# Allegro board zp-dic_pda_8ch_board_v001_166_20241018_1809.brd (continued)
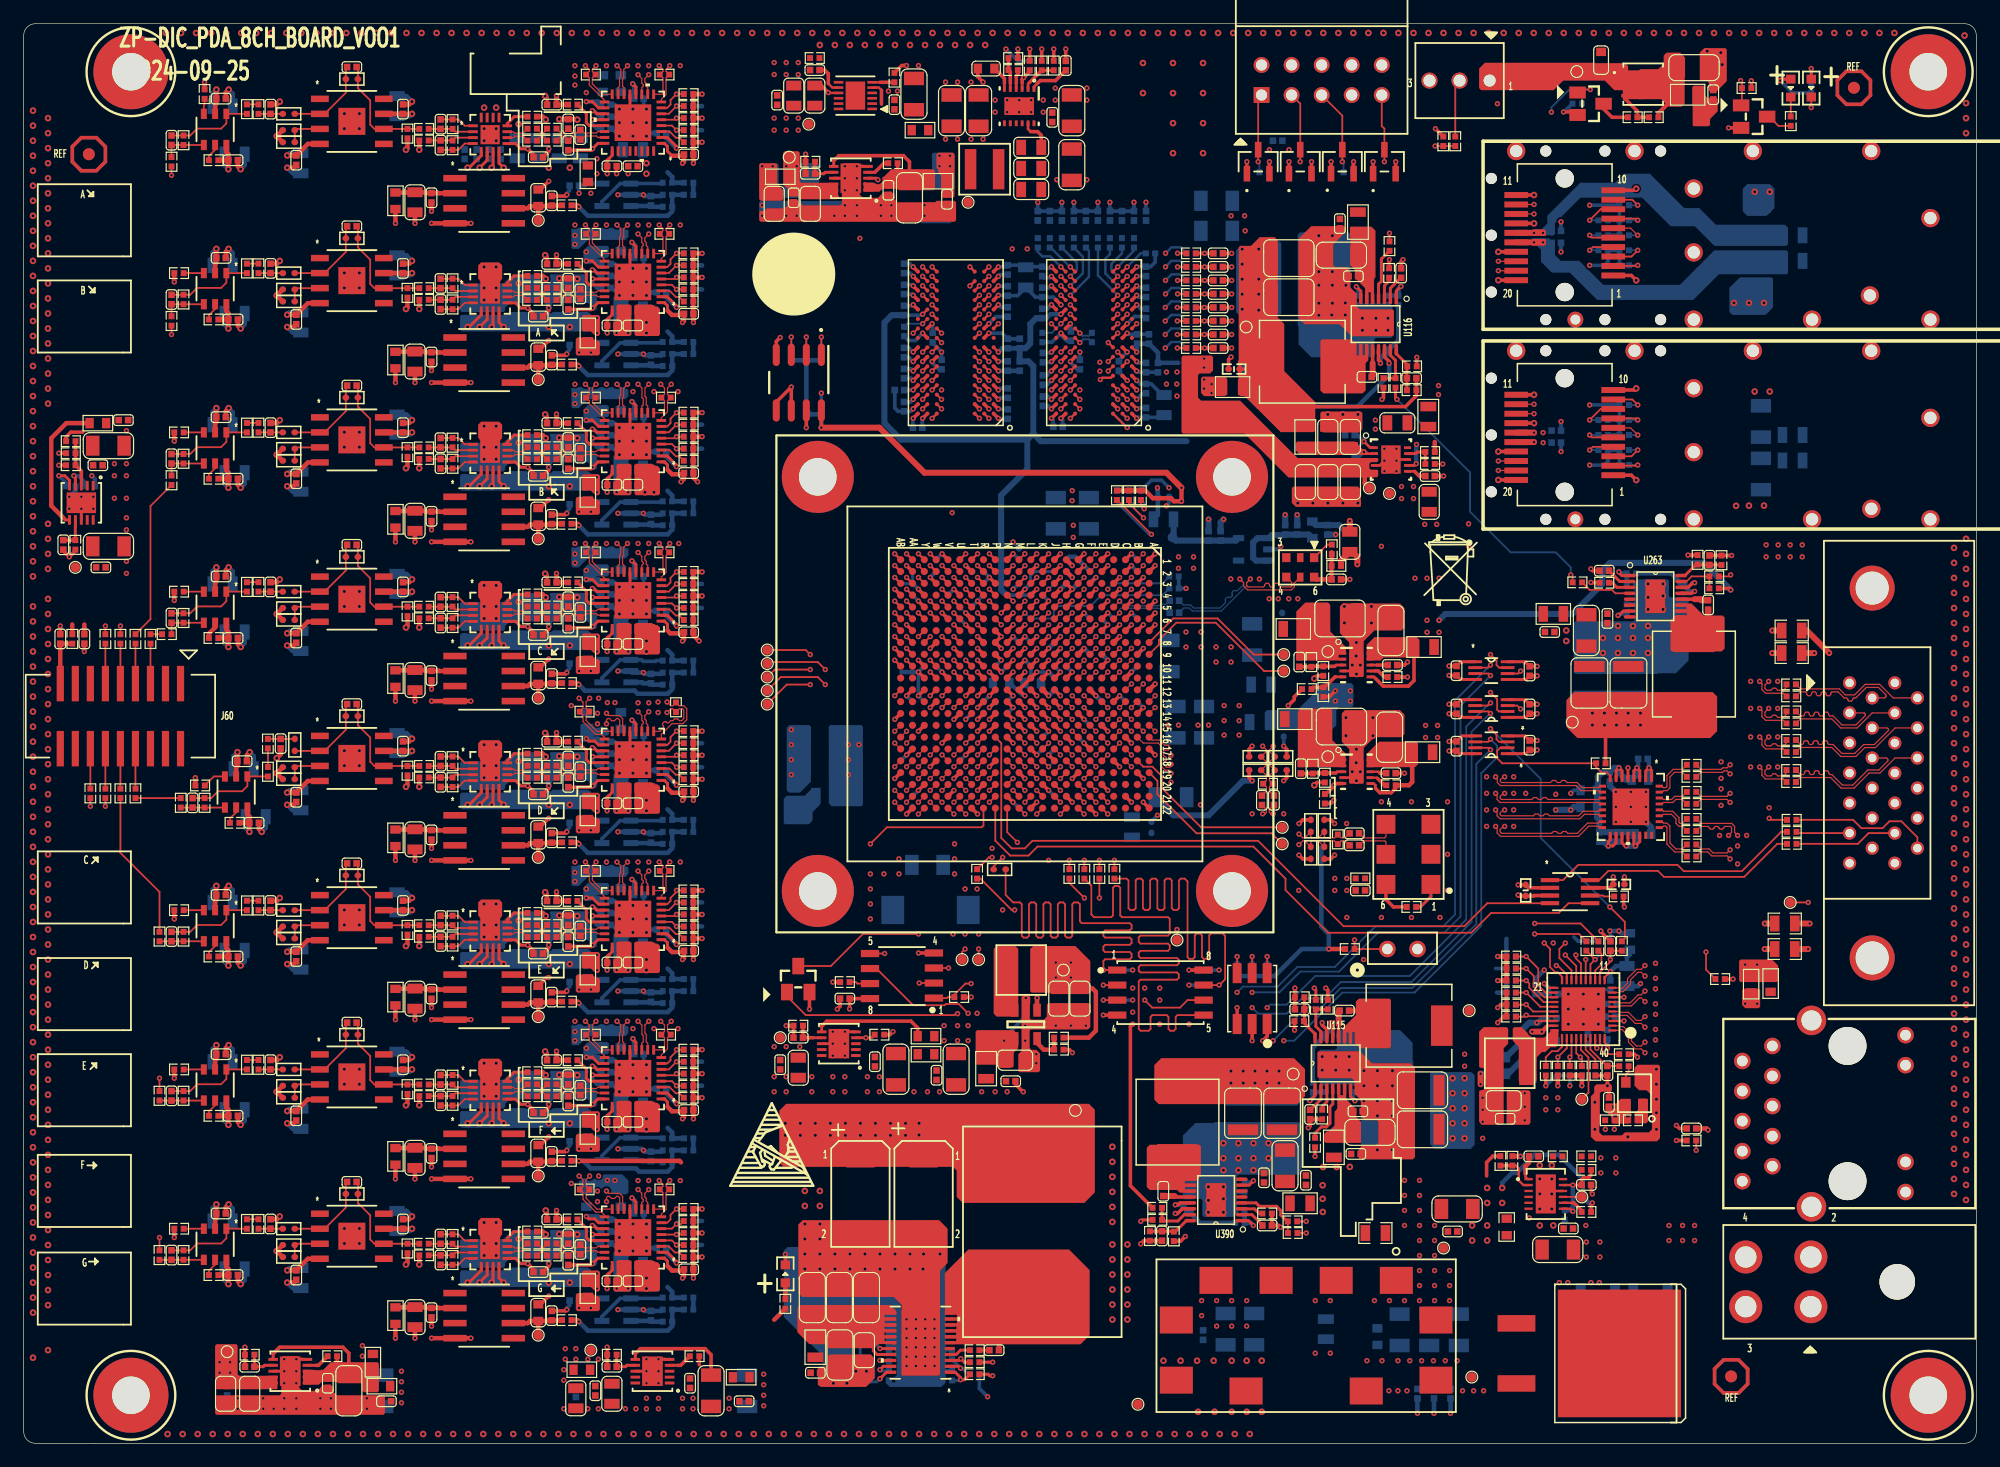
[diagram p0: board, top side]
## Routing (per net, layer and track width the routed paths; a pad name or vN(x,y) marks a point on that pad's centre or on a via; arc(x,y) is an arc through that point) (continued)
FPGA_SFP1_TX_DISABLE: length 48.2
  TOP w0.152: P3.3 135.86,100.32 v1(136.39,100.84) ; v1(123.95,63.47) 124.51,62.91 124.51,62.01 124.66,61.86 U49.2
  ART03 w0.102: v1(123.95,63.47) 125.85,65.38 125.85,78.66 131.8,84.61 131.8,88.52 132.38,89.11 132.38,96.84 v1(136.39,100.84)
  BOTTOM w0.152: R12.2 v1(136.39,100.84)
FPGA_SFP1_TX_N: length 55
  TOP w0.102: P3.19 v1(124.61,99.12) ; U1.F1 v1(90.6,75.19)
  ART08 w0.102: v1(124.61,99.12) 124.81,99.31 125.27,99.31 125.37,99.21 125.37,97.26 123.87,95.76 123.73,95.76 123.66,95.83 123.51,95.83 123.37,95.68 123.37,95.54 123.44,95.47 123.44,95.33 123.3,95.18 123.15,95.18 123.08,95.25 122.94,95.25 122.79,95.11 122.79,94.97 122.86,94.89 122.86,94.75 122.72,94.61 122.58,94.61 122.5,94.68 122.36,94.68 122.22,94.53 122.22,94.39 122.29,94.32 122.29,94.18 117.5,89.38 117.5,87.8 114.94,85.24 113.88,85.24 113.25,85.88 101.22,85.88 98.7,83.35 98.7,79.67 97.64,78.61 95.74,78.61 94.87,77.75 93.8,77.75 92.5,76.45 92.5,75.16 92.24,74.9 92.1,74.9 91.99,74.79 90.71,74.79 90.6,74.9 v1(90.6,75.19)
FPGA_SFP1_TX_P: length 55
  TOP w0.102: U1.F2 v1(90.6,74.19) ; P3.18 v1(124.61,99.92)
  ART08 w0.102: v1(90.6,74.19) 91,74.59 91.99,74.59 92.1,74.49 92.41,74.49 92.91,74.99 92.91,76.29 93.97,77.34 95.04,77.34 95.91,78.21 97.81,78.21 99.11,79.5 99.11,83.19 101.39,85.47 113.08,85.47 113.71,84.84 115.11,84.84 117.9,87.63 117.9,89.21 125.78,97.09 125.78,99.38 125.44,99.72 124.81,99.72 v1(124.61,99.92)
FPGA_SFP1_VCCR: length 1.5
  TOP w0.508: P3.15 v1(127.63,102.32)
  vias: v1(128.39,102.32)
FPGA_SFP1_VCCT: length 1.5
  TOP w0.508: P3.16 v1(127.63,101.52)
  vias: v1(128.39,101.52)
FPGA_SFP2_LOS: length 28.4
  TOP w0.152: v1(126.49,65.28) 126.28,65.07 U287.6 ; P4.8 133.26,87.43 v1(132.32,86.5)
  ART03 w0.102: v1(132.32,86.5) 132.86,85.96 132.86,78.13 129.84,75.11 129.84,68.63 v1(126.49,65.28)
  BOTTOM w0.152: R2151.2 v1(132.32,86.5)
FPGA_SFP2_LOS_1V8: length 71.7
  TOP w0.152: v1(123.95,64.9) 123.78,65.07 U287.3 ; U1.K22 v1(85.61,53.19)
  ART08 w0.102: v1(85.61,53.19) 85.61,52.97 85.37,52.73 85.37,48.41 87.04,46.74 91.11,46.74 98.6,39.24 99.23,39.24 100.79,37.69 103.14,37.69 103.57,38.12 v1(103.81,38.12)
  BOTTOM w0.152: v1(123.95,64.9) 121.41,62.36 121.41,44.53 120.06,43.18 114.45,43.18 111.15,39.88 107.87,39.88 106.11,38.12 v1(103.81,38.12)
FPGA_SFP2_RX_N: length 44.5
  TOP w0.102: P4.12 v1(127.63,87.83) ; U1.C3 v1(93.6,73.19)
  ART08 w0.102: v1(93.6,73.19) 93.6,72.97 93.71,72.87 93.85,72.87 94.01,73.03 94.01,75.5 93.91,75.6 93.91,75.91 94.35,76.35 95.51,76.35 96.53,77.37 102.24,77.37 106.61,81.74 117.51,81.74 123.4,87.64 127.43,87.64 v1(127.63,87.83)
FPGA_SFP2_RX_P: length 44.6
  TOP w0.102: U1.C4 v1(93.6,72.19) ; P4.13 v1(127.63,87.03)
  ART08 w0.102: v1(127.63,87.03) 127.43,87.23 126.86,87.23 126.76,87.13 126.76,87.07 126.66,86.97 126.45,86.97 126.35,87.07 126.35,87.13 126.25,87.23 123.57,87.23 117.67,81.33 106.78,81.33 102.41,76.96 96.69,76.96 95.68,75.95 94.52,75.95 94.31,75.74 94.31,75.6 94.21,75.5 94.21,72.94 93.93,72.67 93.71,72.67 93.6,72.57 v1(93.6,72.19)
FPGA_SFP2_TX_DIS_1V8: length 76.4
  TOP w0.152: v1(123.95,62.58) 123.73,62.36 U49.6 ; U1.M18 v1(84.6,57.19)
  ART08 w0.102: v1(105.08,36.83) 104.19,35.94 100.24,35.94 90.99,45.19 87.45,45.19 84.71,47.93 84.71,52.7 85,53 85,56.53 84.6,56.92 v1(84.6,57.19)
  BOTTOM w0.152: v1(105.08,36.83) 105.33,37.08 106.73,37.08 109.14,39.5 117.12,39.5 121.89,44.27 121.89,60.58 123.89,62.58 v1(123.95,62.58)
FPGA_SFP2_TX_DISABLE: length 30.2
  TOP w0.152: v1(126.49,62.07) 126.2,62.36 U49.3 ; v1(136.39,83.96) 135.86,83.43 P4.3
  ART03 w0.102: v1(126.49,62.07) 126.49,62.69 128.57,64.77 128.57,65.28 131.36,68.07 131.36,74.3 135.63,78.56 135.63,83.2 v1(136.39,83.96)
  BOTTOM w0.152: R2147.2 v1(136.39,83.96)
FPGA_SFP2_TX_N: length 39.9
  TOP w0.102: U1.B1 v1(94.6,75.19) ; P4.19 v1(124.61,82.23)
  ART08 w0.102: v1(124.61,82.23) 124.81,82.43 125.2,82.43 125.37,82.25 125.37,80.31 123.93,78.87 122.77,78.87 122.67,78.97 122.67,78.99 122.57,79.1 122.37,79.1 122.27,78.99 122.27,78.97 122.16,78.87 121.96,78.87 121.86,78.97 121.86,78.99 121.76,79.1 121.56,79.1 121.45,78.99 121.45,78.97 121.35,78.87 121.15,78.87 121.05,78.97 121.05,78.99 120.95,79.1 120.74,79.1 120.64,78.99 120.64,78.97 120.54,78.87 119.27,78.87 119.17,78.97 119.17,79.07 119.07,79.17 118.86,79.17 118.76,79.07 118.76,78.97 118.66,78.87 118.46,78.87 118.36,78.97 118.36,79.07 118.26,79.17 118.05,79.17 117.95,79.07 117.95,78.97 117.85,78.87 110.03,78.87 109.17,78 105.42,78 103.26,75.84 97.23,75.84 96.31,74.93 96.12,74.93 95.98,74.79 94.71,74.79 94.6,74.9 v1(94.6,75.19)
FPGA_SFP2_TX_P: length 39.6
  TOP w0.102: U1.B2 v1(94.6,74.19) ; P4.18 v1(124.61,83.03)
  ART08 w0.102: v1(124.61,83.03) 124.81,82.84 125.36,82.84 125.78,82.42 125.78,80.14 124.1,78.46 110.2,78.46 109.33,77.6 105.58,77.6 103.42,75.44 97.4,75.44 96.48,74.52 96.14,74.52 96.07,74.59 95,74.59 v1(94.6,74.19)
FPGA_SFP2_VCCR: length 1.5
  TOP w0.508: P4.15 v1(127.63,85.43)
  vias: v1(128.39,85.43)
FPGA_SFP2_VCCT: length 1.5
  TOP w0.508: P4.16 v1(127.63,84.63)
  vias: v1(128.4,84.58)
FPGA_TCK: length 57.2
  TOP w0.152: J1.1 104.31,113.68 D2.3 v1(104.31,108.33) ; U1.K7 v1(86.6,69.19)
  ART03 w0.102: v1(86.6,69.19) 86.56,69.19 86.21,69.54 86.21,72.36 86.44,72.59 86.48,72.59 86.48,72.59 89.02,72.59 89.21,72.78 89.21,73.35 89.44,73.59 90.95,73.59 91.21,73.85 91.21,74.4 91.49,74.68 91.83,74.68 92.08,74.93 92.08,75.49 93.32,76.72 93.32,79.23 93.55,79.47 96.16,82.08 96.16,89.87 96.34,90.04 96.95,90.04 v1(97.46,90.55)
  ART08 w0.102: v1(104.31,108.33) 98.4,102.42 98.4,91.5 v1(97.46,90.55)
  BOTTOM w0.152: v1(104.31,108.33) 104.42,108.22 R456.2
FPGA_TDI: length 65.7
  TOP w0.152: v1(114.98,108.33) D5.3 114.98,111.13 114.76,111.35 J1.9 ; U1.K6 v1(86.6,70.19)
  ART03 w0.102: v1(96.57,89.54) 96.57,81.66 96.31,81.41 96.31,80.52 96.06,80.26 94.92,80.26 93.72,79.06 93.72,76.83 92.29,75.4 92.29,74.21 90.85,72.77 90.47,72.77 90.09,72.39 90.09,72.01 89.88,71.8 87.36,71.8 87,71.44 87,70.94 87.04,70.9 87.04,70.61 86.62,70.19 v1(86.6,70.19)
  ART08 w0.102: v1(114.98,108.33) 113.97,107.32 104.44,107.32 99.23,102.11 99.23,90.55 97.71,89.03 97.07,89.03 v1(96.57,89.54)
FPGA_TDO: length 58.4
  TOP w0.152: J1.3 107.87,113.24 D3.3 v1(107.87,108.33) ; U1.J6 v1(87.6,70.19)
  ART03 w0.102: v1(87.6,70.19) 87.3,70.5 87.3,70.94 87.21,71.03 87.21,71.36 87.44,71.59 90.56,71.59 91,72.03 91,72.54 92.5,74.04 92.5,75.31 94,76.81 94,78.95 94.92,79.86 96.67,79.86 97.33,80.52 97.33,81.41 96.95,81.79 96.95,89.05 v1(97.44,89.54)
  ART08 w0.102: v1(107.87,108.33) 107.36,107.82 104.44,107.82 98.85,102.24 98.85,90.95 v1(97.44,89.54)
FPGA_TIMING_LVDS_EN: length 12.2
  TOP w0.152: U286.2 124.76,58.8 124.51,58.55 124.51,57.91 124.94,57.48 R2135.2 132.87,57.17 133.32,56.72 133.78,56.72 134.06,56.44 U271.8
FPGA_TIMING_LVDS_EN_1V8: length 71.8
  TOP w0.152: U1.N22 83.1,51.66 v1(83.97,50.8) ; U286.7 123.78,58.8 v1(123.95,58.63)
  ART08 w0.102: v1(105.58,34.04) 105.08,34.54 100.76,34.54 90.68,44.62 86.49,44.62 83.97,47.14 v1(83.97,50.8)
  BOTTOM w0.152: v1(123.95,58.63) 122.75,57.43 122.75,43.91 117.33,38.48 111.3,38.48 109.65,36.83 108.38,36.83 v1(105.58,34.04)
FPGA_TMS: length 65.2
  TOP w0.152: J1.5 111.43,112.22 D4.3 v1(111.43,108.33) ; U1.L6 v1(85.6,70.19)
  ART03 w0.102: v1(96.57,90.55) 95.96,90.55 95.68,90.27 95.68,82.17 93.39,79.87 92.91,79.4 92.91,77.11 91,75.21 91,73.94 90.86,73.8 89.34,73.8 89,73.46 89,72.95 88.85,72.8 86.31,72.8 86,72.49 86,70.58 85.61,70.19 v1(85.6,70.19)
  ART08 w0.102: v1(96.57,90.55) 97.96,91.95 97.96,103.63 103.17,108.84 111.04,108.84 111.43,108.46 v1(111.43,108.33)
  BOTTOM w0.152: R455.2 111.53,108.22 v1(111.43,108.33)
INPUT_GND: length 6.3
  TOP w0.203: v2(129.13,21.08) 129.38,21.33 U112.10
  TOP w0.254: v1(132.55,21.08) 132.45,21.19 C1146.1
  TOP w0.381: R1063.2 126.47,24.28 v1(126.48,24.26)
  BOTTOM w0.381: C1145.1 v1(119.17,2.54) ; C1136.1 v1(117.78,2.54) ; C1140.2 v1(120.57,2.54)
  vias: v1(114.14,12.07) v1(115.41,12.07) v1(116.68,22.23) v1(116.68,20.96) v1(116.68,19.69) v1(116.68,18.42) v1(116.68,12.07) v1(117.95,22.23) v1(117.95,20.96) v1(117.95,19.69) v1(117.95,18.42) v1(117.95,17.15) v1(117.95,15.88) v1(117.95,14.61) v1(117.95,13.34) v1(117.95,12.07) v1(119.22,18.42) v1(119.22,17.15) v1(119.22,15.88) v1(119.22,14.61) v1(119.22,13.34) v1(119.22,12.07) v1(120.49,14.61) v1(120.49,13.34) v1(120.49,12.07) v2(128.11,23.5) v2(128.11,22.35) v2(128.11,21.08) v2(128.11,19.81) v2(128.11,18.42) v2(129.13,23.5) v2(129.13,22.35) v2(129.13,19.81) v2(129.25,18.42)
MGTAVCC: length 5
  TOP w0.305: U1.G6 v1(89.6,70.19) ; U1.A6 v1(95.6,70.19) ; U1.E6 v1(91.6,70.19) ; U1.C6 v1(93.6,70.19)
  BOTTOM w0.305: C426.1 92.11,69.69 v1(91.6,70.19) ; v1(93.6,70.19) 94.11,69.69 C144.1 ; v1(89.6,70.19) 90.11,69.69 C427.1
  vias: v1(98.22,68.58) v1(98.22,67.31) v1(99.49,68.58) v1(99.49,67.31)
MGTAVCC_PG: length 14.9
  TOP w0.305: v1(116.93,64.77) R1115.1 ; U118.5 110.85,55.77 v1(110.71,55.63) 110.71,55.55 110.05,54.88 R1100.2
  ART06 w0.114: v1(110.71,55.63) 110.71,58.04 112.57,59.9 112.57,61.09 116.25,64.77 v1(116.93,64.77)
MGTAVTT: length 8.3
  TOP w0.305: U1.G2 v1(89.6,74.19) ; U1.A2 v1(95.6,74.19) ; U1.C2 v1(93.6,74.19) ; U1.E2 v1(91.6,74.19)
  TOP w0.381: v1(88.6,74.19) U1.H1
  BOTTOM w0.305: U1.A2 v1(95.6,74.19) ; v1(93.6,74.19) 94.08,73.72 C431.1
  BOTTOM w0.381: C430.1 90.11,73.69 v1(89.6,74.19) 88.87,74.93 88.34,74.93 R165.2 88.6,74.2 v1(88.6,74.19)
  vias: v1(97.58,74.93) v1(97.58,73.96) v1(98.85,74.93) v1(98.85,73.96)
MGTAVTT_PG: length 30.9
  TOP w0.152: U1.N17 v1(83.6,58.19)
  TOP w0.305: R1116.2 107.36,63.09 107.36,62.87 v1(106.85,62.36)
  ART08 w0.102: v1(106.85,62.36) 103.91,59.41 95.93,59.41 95.54,59.8 92.44,59.8 92.21,60.03 92.21,60.44 91.85,60.8 83.55,60.8 83.17,60.42 83.17,59.06 83.6,58.63 v1(83.6,58.19)
MGTVCCAUX: length 7.3
  BOTTOM w0.508: U272.5 102.45,76.31 C2488.1 C2489.2 97.35,76.31 TP146.1 97.16,76.67 L287.2
Net_2: length 46.7
  TOP w0.152: 83.1,57.69 v1(83.6,57.19)
  ART08 w0.102: v1(83.6,57.19) 83.2,57.6 83.2,58.68 82.79,59.09 82.79,63.32 83.74,64.26 87.3,64.26 88.06,65.02 88.06,68.2 88.21,68.35 88.21,68.36 88.44,68.59 92.64,68.59 93.14,69.09 93.14,69.34 93.52,69.72 93.9,69.72 94.79,70.61 98.47,70.61 102.03,74.17 103.93,74.17 106.09,76.33 109.01,76.33 109.52,75.82 v1(114.73,75.82)
PDA_CH5: length 1
  TOP w0.152: R2651.1 R3207.1
PDA_CH6: length 3.8
  TOP w0.152: R3254.1 R3208.1
PDA_CH7: length 13.9
  TOP w0.152: R2652.1 10.71,69.67 10.71,79.23 R3209.1
PDA_CH8: length 12.7
  TOP w0.152: R3253.1 8.17,49.91 11.48,46.61 R3210.1
PDA_CH9: length 27.9
  TOP w0.152: R3211.1 v1(12.49,93.73) ; R2653.1 v1(8.17,69.09)
  ART03 w0.102: v1(12.49,93.73) 11.48,92.71 11.48,72.39 v1(8.17,69.09)
PDA_CH10: length 26.7
  TOP w0.152: R3252.1 v1(6.9,53.85) ; R3212.1 v1(11.48,30.86)
  ART03 w0.102: v1(11.48,30.86) 6.9,35.43 v1(6.9,53.85)
PDA_CH11: length 41.8
  TOP w0.152: R3213.1 v1(12.49,107.19) ; R2654.1 v1(6.9,69.09)
  ART03 w0.102: v1(6.9,69.09) 10.46,72.64 10.46,105.16 v1(12.49,107.19)
PDA_CH12: length 40.6
  TOP w0.152: R3251.1 v1(5.63,53.85) ; R3214.1 v1(11.48,17.4)
  ART03 w0.102: v1(5.63,53.85) 5.63,23.24 v1(11.48,17.4)
PMT_CHANNEL_SELECT_1: length 90.8
  TOP w0.152: U1.H10 v1(88.6,66.19) ; J78.6 v1(105.08,41.15)
  ART03 w0.102: v1(105.08,41.15) 105.58,40.64 110.47,40.64 111.11,40.01 117.4,40.01 127.4,50.01 127.4,55.65 126.16,56.9 123.49,56.9 121.2,59.18 121.2,69.49 v1(117.57,73.13)
  ART08 w0.102: v1(117.57,73.13) 116.96,72.52 103.31,72.52 100.9,70.1 96.19,70.1 95.88,69.8 94.48,69.8 94.15,69.47 94.15,69.09 92.76,67.69 90.34,67.69 90.09,67.44 90.09,66.93 89.84,66.68 89.07,66.68 88.6,66.21 v1(88.6,66.19)
  BOTTOM w0.152: 105.08,40.51 v1(105.08,41.15)
PMT_CHANNEL_SELECT_2: length 88.9
  TOP w0.152: U1.D9 v1(92.6,67.19) ; J78.5 v1(103.81,41.15)
  ART03 w0.102: v1(118.58,73.13) 118.58,72.98 121.59,69.98 121.59,59.31 123.62,57.28 126.28,57.28 127.68,55.88 127.68,49.53 117.77,39.62 110.95,39.62 110.31,40.25 104.7,40.25 v1(103.81,41.15)
  ART08 w0.102: v1(92.6,67.19) 92.77,67.19 94.28,68.71 94.79,68.71 95.04,68.96 95.04,69.22 95.42,69.59 101.11,69.59 103.76,72.24 117.7,72.24 v1(118.58,73.13)
  BOTTOM w0.152: 103.81,40.51 v1(103.81,41.15)
PMT_CHANNEL_SELECT_3: length 91.7
  TOP w0.152: J78.4 v1(102.54,41.15) ; U1.C9 v1(93.6,67.19)
  ART03 w0.102: v1(119.6,73.13) 121.97,70.76 121.97,59.38 123.43,57.91 126.14,57.91 127.99,56.07 127.99,47.29 119.93,39.24 110.79,39.24 110.16,39.88 103.81,39.88 v1(102.54,41.15)
  ART08 w0.102: v1(93.6,67.19) 94.87,68.45 95.55,68.45 96.31,69.22 101.27,69.22 103.93,71.88 118.36,71.88 v1(119.6,73.13)
  BOTTOM w0.152: 102.54,40.51 v1(102.54,41.15)
QSPI_CLK: length 23.5
  TOP w0.152: U102.6 98.34,37.47 97.71,36.83 95.36,36.83 v1(94.73,37.47) ; R507.2 80.84,47.73 83.49,45.09 v1(83.74,45.09)
  ART08 w0.102: v1(94.73,37.47) 94.28,37.91 94.28,38.61 91.86,40.59 90.73,41.35 v1(83.74,45.09)
QSPI_CS_B: length 53.8
  TOP w0.152: U102.1 v1(91.23,40.01) 91.23,40.77 91.39,40.92 93.47,40.92 93.62,41.07 93.62,41.38 93.47,41.53 91.39,41.53 91.23,41.68 91.23,41.99 91.39,42.14 93.47,42.14 93.62,42.29 93.62,42.6 93.47,42.75 91.39,42.75 91.23,42.9 91.23,43.21 91.39,43.36 93.47,43.36 93.62,43.51 93.62,43.82 93.47,43.97 89.4,43.97 89.25,44.12 89.25,45.57 89.1,45.72 88.76,45.72 88.61,45.57 88.61,42.9 88.45,42.75 88.15,42.75 88,42.9 88,45.57 87.85,45.72 87.54,45.72 87.39,45.57 87.39,42.9 87.24,42.75 86.93,42.75 86.78,42.9 86.78,45.57 86.63,45.72 86.32,45.72 86.17,45.57 86.17,42.9 86.02,42.75 85.71,42.75 85.56,42.9 85.56,45.57 85.41,45.72 85.1,45.72 84.95,45.57 84.95,42.9 84.8,42.75 84.49,42.75 84.34,42.9 84.34,45.57 84.19,45.72 83.61,45.72 82.98,46.36 R502.2
  BOTTOM w0.152: R496.2 v1(91.23,40.01)
QSPI_CS_B_R: length 14.2
  TOP w0.152: v1(82.72,49.53) 81.96,48.77 R502.1 ; U1.L16 v1(85.6,59.19)
  ART08 w0.102: v1(85.6,59.19) 85.21,59.59 84.4,59.59 84.21,59.4 84.21,54.95 84,54.74 84,54.03 83.38,53.41 83.38,51.74 82.72,51.08 v1(82.72,49.53)
QSPI_MISO0: length 53.4
  TOP w0.152: R503.2 90.22,47.14 90.22,44.7 90.45,44.48 91.9,44.48 92.05,44.63 92.05,46.96 92.2,47.12 92.51,47.12 92.66,46.96 92.66,44.63 92.81,44.48 96.69,44.48 96.85,44.32 96.85,43.07 96.69,42.92 94.37,42.92 94.22,42.76 94.22,42.39 94.37,42.24 96.69,42.24 96.85,42.09 96.85,41.78 96.69,41.63 94.37,41.63 94.22,41.48 94.22,41.17 94.37,41.02 97.46,41.02 97.61,40.87 97.61,40.56 97.46,40.41 94.37,40.41 94.22,40.26 94.22,39.95 94.37,39.8 97.46,39.8 97.61,39.65 97.61,39.34 97.46,39.19 94.37,39.19 94.22,39.04 94.22,35.04 94.38,34.87 95.07,34.87 95.22,35.03 95.22,36.04 95.37,36.2 96.58,36.2 96.74,36.04 96.74,35.03 96.89,34.87 97.19,34.87 97.34,35.03 97.34,36.04 97.5,36.2 U102.5
QSPI_MISO1: length 53.3
  TOP w0.152: R505.2 88.36,47.37 v1(89.63,46.1) ; U102.2 v1(91.23,38.74)
  ART06 w0.114: v1(91.23,38.74) 91.23,38.16 91.12,38.05 90.49,38.05 90.37,38.16 90.37,39.48 90.26,39.6 90.03,39.6 89.91,39.48 89.91,38.16 89.8,38.05 89.57,38.05 89.46,38.16 89.46,39.48 89.34,39.6 89.11,39.6 89,39.48 89,38.16 88.89,38.05 87.97,38.05 87.85,38.16 87.85,39.87 87.97,39.98 89.07,39.98 89.18,40.09 89.18,41.11 89.3,41.22 89.5,41.22 89.64,41.08 89.64,40.09 89.75,39.98 90.48,39.98 90.6,40.09 90.6,41.7 90.48,41.82 87.21,41.82 87.09,41.93 87.09,42.16 87.21,42.27 90.48,42.27 90.6,42.39 90.6,42.62 90.48,42.73 87.21,42.73 87.09,42.84 87.09,43.07 87.21,43.19 90.48,43.19 90.6,43.3 90.6,43.53 90.48,43.64 87.21,43.64 87.09,43.76 87.09,43.99 87.21,44.1 90.48,44.1 90.6,44.22 90.6,44.44 90.48,44.56 87.21,44.56 87.09,44.67 87.09,44.9 87.21,45.02 90.48,45.02 90.6,45.13 90.6,45.44 90.4,45.64 90.09,45.64 v1(89.63,46.1)
QSPI_MISO2: length 48.8
  TOP w0.152: U102.3 v1(91.23,37.47) ; v1(90.9,46.1) R509.2
  ART06 w0.114: v1(90.9,46.1) 90.9,48.37 90.78,48.49 90.33,48.49 90.21,48.37 90.21,46.62 90.1,46.51 89.87,46.51 89.75,46.62 89.75,48.37 89.64,48.49 89.26,48.49 89.15,48.37 89.15,45.71 89.03,45.59 88.8,45.59 88.69,45.71 88.69,48.37 88.57,48.49 88.35,48.49 88.23,48.37 88.23,45.71 88.12,45.59 87.89,45.59 87.77,45.71 87.77,48.37 87.66,48.49 86.74,48.49 86.61,48.36 86.61,48.01 86.5,47.89 85.89,47.89 85.77,47.78 85.77,47.55 85.89,47.43 86.5,47.43 86.61,47.32 86.61,47.09 86.5,46.98 85.89,46.98 85.77,46.86 85.77,46.63 85.89,46.52 86.5,46.52 86.61,46.41 86.61,46.18 86.5,46.06 85.89,46.06 85.77,45.95 85.77,45.72 85.89,45.61 86.5,45.61 86.61,45.49 86.61,45.26 86.5,45.15 85.89,45.15 85.77,45.03 85.77,44.81 85.89,44.69 86.5,44.69 86.61,44.58 86.61,44.35 86.5,44.23 85.89,44.23 85.77,44.12 85.77,43.89 85.89,43.78 86.5,43.78 86.61,43.66 86.61,43.43 86.5,43.32 85.89,43.32 85.77,43.2 85.77,42.98 85.89,42.86 86.5,42.86 86.61,42.75 86.61,37.64 86.79,37.47 v1(91.23,37.47)
  BOTTOM w0.152: R497.2 v1(91.23,37.47)
QSPI_MISO3: length 48.3
  TOP w0.152: R511.2 93.2,47.73 93.36,47.58 93.36,45.24 93.51,45.09 93.81,45.09 93.97,45.24 93.97,47.58 94.12,47.73 94.42,47.73 94.58,47.58 94.58,45.24 94.73,45.09 95.03,45.09 95.18,45.24 95.18,47.58 95.34,47.73 95.64,47.73 95.79,47.58 95.79,45.24 95.95,45.09 96.25,45.09 96.4,45.24 96.4,47.58 96.56,47.73 96.86,47.73 97.01,47.58 97.01,45.24 97.17,45.09 97.47,45.09 97.62,45.24 97.62,47.58 97.78,47.73 98.11,47.73 98.34,47.5 98.34,41.1 98.5,40.95 98.8,40.95 98.95,41.1 98.95,42.93 99.11,43.08 99.41,43.08 99.56,42.93 99.56,41.1 99.72,40.95 100.02,40.95 100.17,41.1 100.17,42.93 100.35,43.1 101.32,43.1 101.52,42.9 101.52,39.22 101.04,38.74 v1(101.01,38.74) U102.7
  BOTTOM w0.152: R498.2 v1(101.01,38.74)
RF_ENABLE: length 18.3
  TOP w0.152: R2124.2 148.18,50.67 145.39,47.88 138.6,47.88 138.1,48.39 133.9,48.39 133.12,47.61 U154.8
RF_ENABLE_1V8: length 58.5
  TOP w0.152: U1.P22 82.1,50.94 83.36,49.68 84.91,49.68 85.67,50.44 103.91,50.44 106.63,47.73 106.63,46.76 110.23,43.15 122.32,43.15 124,44.83 129.71,44.83 130.54,45.66 U154.5
RF_FAULT: length 22.2
  TOP w0.152: U154.1 130.08,47.61 131.36,48.9 139.75,48.9 140.28,48.36 145.18,48.36 148.51,51.69 R2125.2
RF_FAULT_1V8: length 59.5
  TOP w0.152: U154.4 123.68,45.66 121.74,43.71 111.53,43.71 104.31,50.93 85.24,50.93 84.6,50.29 83.49,50.29 82.6,51.17 82.6,59.19 U1.P16
RF_FPS_TRIGGER_N: length 62.5
  TOP w0.102: U271.12 133.17,54.05 133.05,54.17 124.76,54.17 124.51,54.42 124.51,54.81 v1(124.38,54.94) ; U1.H8 v1(88.6,68.19)
  ART03 w0.102: v1(88.6,68.19) 88.6,67.84 88.71,67.74 88.9,67.74 89,67.84 89,68.57 89.23,68.8 90.81,68.8 91.01,68.99 91.01,69.53 91.27,69.79 95.88,69.79 96.77,70.69 108.88,70.69 110.83,68.73 115.66,68.73 116.15,68.24 116.15,67.16 115.81,66.82 114.85,66.82 114.75,66.72 114.75,66.31 114.85,66.21 115.81,66.21 116.15,65.87 116.15,64.43 117.78,62.8 117.78,59.5 118.73,58.55 119.3,58.55 122.21,55.64 122.46,55.64 122.62,55.48 122.62,55.22 123.39,54.46 124.46,54.46 124.56,54.56 124.56,54.76 v1(124.38,54.94)
RF_FPS_TRIGGER_N_C: length 22.1
  TOP w0.102: R2216.2 141.72,54.43 143.94,54.43 v1(144.19,54.18)
  ART03 w0.102: J75.8 157.15,55.39 157.25,55.49 157.25,55.64 156.6,56.29 155.85,56.29 154.66,55.09 152.87,55.09 152.77,54.99 152.77,54.89 152.67,54.79 152.47,54.79 152.37,54.89 152.37,54.99 152.26,55.09 152.06,55.09 151.96,54.99 151.96,54.89 151.86,54.79 151.65,54.79 151.55,54.89 151.55,54.99 151.45,55.09 150.91,55.09 150.65,55.35 149.87,55.35 149.77,55.25 149.77,54.64 149.43,54.31 148.69,54.31 148.35,54.64 148.35,55.25 148.25,55.35 147.21,55.35 146.89,55.02 146.89,54.88 146.94,54.83 146.94,54.69 146.79,54.54 146.65,54.54 146.6,54.59 146.46,54.59 146.22,54.36 146.05,54.36 145.95,54.25 145.95,54.15 145.85,54.05 145.65,54.05 145.55,54.15 145.55,54.25 145.44,54.36 145.24,54.36 145.14,54.25 145.14,54.15 145.04,54.05 144.83,54.05 144.73,54.15 144.73,54.25 144.63,54.36 144.37,54.36 v1(144.19,54.18)
RF_FPS_TRIGGER_P: length 62.8
  TOP w0.102: U271.11 133.18,54.55 133.06,54.42 128.81,54.42 128.65,54.58 128.41,54.58 128.25,54.42 128,54.42 127.84,54.58 127.59,54.58 127.43,54.42 124.86,54.42 124.76,54.53 124.76,54.69 125.01,54.94 v1(125.14,54.94) ; U1.H9 v1(88.6,67.19)
  ART03 w0.102: v1(88.6,67.19) 88.6,67.44 88.71,67.54 88.99,67.54 89.21,67.76 89.21,68.48 89.32,68.59 90.9,68.59 91.21,68.9 91.21,69.45 91.35,69.59 95.96,69.59 96.65,70.28 108.71,70.28 110.66,68.33 115.49,68.33 115.74,68.07 115.74,67.33 115.64,67.22 114.69,67.22 114.35,66.88 114.35,66.14 114.69,65.8 115.64,65.8 115.74,65.7 115.74,64.26 117.37,62.64 117.37,59.33 118.56,58.14 119.13,58.14 123.22,54.05 124.62,54.05 124.96,54.39 124.96,54.76 v1(125.14,54.94)
RF_FPS_TRIGGER_P_C: length 22.1
  TOP w0.102: R2215.2 141.72,54.69 143.94,54.69 v1(144.19,54.94)
  ART03 w0.102: J75.21 158.07,55.39 156.76,56.69 155.68,56.69 154.49,55.5 151.08,55.5 150.82,55.75 149.71,55.75 149.37,55.41 149.37,54.81 149.26,54.71 148.86,54.71 148.76,54.81 148.76,55.41 148.42,55.75 147.05,55.75 146.06,54.76 144.37,54.76 v1(144.19,54.94)
RF_MOD_IN_FIXED_N: length 57.6
  TOP w0.102: U271.14 133.18,53.05 133.06,53.17 131.88,53.17 131.5,52.79 124.76,52.79 124.51,53.04 124.51,53.42 v1(124.38,53.54) ; U1.F8 v1(90.6,68.19)
  ART03 w0.102: v1(124.38,53.54) 124.56,53.37 124.56,53.2 124.38,53.02 122.79,53.02 122.37,53.45 122.37,53.59 122.43,53.65 122.43,53.79 122.28,53.94 122.14,53.94 122.08,53.88 121.94,53.88 121.79,54.02 121.79,54.17 121.85,54.23 121.85,54.37 121.71,54.51 121.56,54.51 121.5,54.45 121.36,54.45 121.22,54.6 121.22,54.74 121.28,54.8 121.28,54.95 121.13,55.09 120.99,55.09 120.93,55.03 120.79,55.03 120.09,55.73 120.09,55.87 120.14,55.92 120.14,56.06 119.99,56.2 119.85,56.2 119.8,56.16 119.66,56.16 118.79,57.02 118.33,57.02 116.63,58.72 116.63,61.72 113.84,64.52 112.31,64.52 107.23,69.6 97.2,69.6 96.74,69.13 96.59,69.13 96.53,69.19 96.39,69.19 96.25,69.05 96.25,68.9 96.31,68.84 96.31,68.7 96.16,68.56 96.02,68.56 95.96,68.62 95.81,68.62 95.67,68.47 95.67,68.33 95.73,68.27 95.73,68.12 95.5,67.89 95.4,67.89 95.3,67.79 95.29,67.79 90.23,67.79 90.08,67.95 90.08,68.09 90.18,68.19 v1(90.6,68.19)
RF_MOD_IN_FIXED_N_C: length 22.4
  TOP w0.102: R2218.2 141.72,52.15 142.33,52.15 142.43,52.04 142.43,52.02 142.53,51.92 142.74,51.92 142.84,52.02 142.84,52.04 142.94,52.15 143.14,52.15 143.24,52.04 143.24,52.02 143.34,51.92 143.55,51.92 143.65,52.02 143.65,52.04 143.75,52.15 144.22,52.15 144.32,52.04 144.32,51.64 v1(144.06,51.38)
  ART03 w0.102: v1(144.06,51.38) 144.24,51.56 144.24,51.99 144.6,52.35 145.01,52.35 145.22,52.55 145.42,52.55 145.62,52.35 145.83,52.35 146.03,52.55 146.23,52.55 146.44,52.35 146.71,52.35 147.05,52.01 147.05,51.41 147.15,51.31 147.56,51.31 147.66,51.41 147.66,52.01 148,52.35 148.74,52.35 149.08,52.01 149.08,51.41 149.18,51.31 149.59,51.31 149.69,51.41 149.69,52.01 150.03,52.35 150.48,52.35 150.58,52.45 150.58,52.5 150.68,52.6 150.89,52.6 150.99,52.5 150.99,52.45 151.09,52.35 151.29,52.35 151.39,52.45 151.39,52.5 151.5,52.6 151.7,52.6 151.8,52.5 151.8,52.45 151.9,52.35 152.96,52.35 153.64,53.03 154.56,53.03 155.47,53.94 155.47,54.02 155.37,54.12 J75.9
RF_MOD_IN_FIXED_P: length 56.3
  TOP w0.102: U1.G8 v1(89.6,68.19) ; v1(125.14,53.54) 125.01,53.54 124.76,53.29 124.76,53.15 124.86,53.04 127.57,53.04 127.71,53.19 127.97,53.19 128.12,53.04 128.38,53.04 128.53,53.19 128.79,53.19 128.93,53.04 131.4,53.04 131.78,53.42 133.05,53.42 133.17,53.55 U271.13
  ART03 w0.102: v1(125.14,53.54) 124.96,53.37 124.96,53.03 124.55,52.62 122.62,52.62 118.62,56.62 118.17,56.62 116.23,58.56 116.23,61.55 113.67,64.11 112.15,64.11 107.07,69.19 97.37,69.19 95.67,67.49 95.31,67.49 95.21,67.59 90.15,67.59 89.88,67.86 89.88,68.09 89.77,68.19 v1(89.6,68.19)
RF_MOD_IN_FIXED_P_C: length 22.4
  TOP w0.102: R2217.2 141.72,52.4 144.32,52.4 144.57,52.15 144.57,51.64 v1(144.83,51.38)
  ART03 w0.102: J75.22 156.22,54.12 154.73,52.62 153.81,52.62 153.13,51.94 150.2,51.94 150.1,51.84 150.1,51.24 149.76,50.9 149.01,50.9 148.67,51.24 148.67,51.84 148.57,51.94 148.17,51.94 148.06,51.84 148.06,51.24 147.72,50.9 146.98,50.9 146.64,51.24 146.64,51.84 146.54,51.94 144.77,51.94 144.65,51.83 144.65,51.56 v1(144.83,51.38)
RF_MOD_IN_VARIABLE_N: length 60
  TOP w0.102: v1(124.38,52.15) 124.51,52.02 124.51,51.59 124.79,51.31 131.39,51.31 132.25,52.17 133.04,52.17 133.17,52.05 U271.16 ; U1.E9 v1(91.6,67.19)
  ART03 w0.102: v1(124.38,52.15) 124.56,51.97 124.56,51.81 124.38,51.63 122.16,51.63 121.88,51.91 121.88,52.05 121.89,52.06 121.89,52.2 121.74,52.35 121.6,52.35 121.59,52.34 121.45,52.34 121.3,52.48 121.3,52.62 121.31,52.63 121.31,52.78 121.17,52.92 121.02,52.92 121.01,52.91 120.87,52.91 118.28,55.5 117.09,55.5 115.36,57.23 115.36,61.34 114.47,62.23 110.42,62.23 110.31,62.33 110.31,63.03 109.97,63.37 109.23,63.37 108.89,63.03 108.89,62.33 108.79,62.23 108.15,62.23 108.05,62.33 108.05,65.76 105.66,68.15 102.37,68.15 102.27,68.25 102.27,68.3 102.17,68.4 101.97,68.4 101.87,68.3 101.87,68.25 101.76,68.15 101.56,68.15 101.46,68.25 101.46,68.3 101.36,68.4 101.15,68.4 101.05,68.3 101.05,68.25 100.95,68.15 100.75,68.15 100.65,68.25 100.65,68.3 100.54,68.4 100.34,68.4 100.24,68.3 100.24,68.25 100.14,68.15 97.28,68.15 96.03,66.9 95.17,66.9 95.07,66.79 91.36,66.79 91.21,66.95 91.21,67.09 91.31,67.19 v1(91.6,67.19)
RF_MOD_IN_VARIABLE_N_C: length 22.2
  TOP w0.102: v1(144.19,49.4) 143.94,49.66 142.64,49.66 142.31,49.99 141.72,49.99 R2220.2